# Altium PCB Main_PCB.PcbDoc (part 12 of 13) (continued)
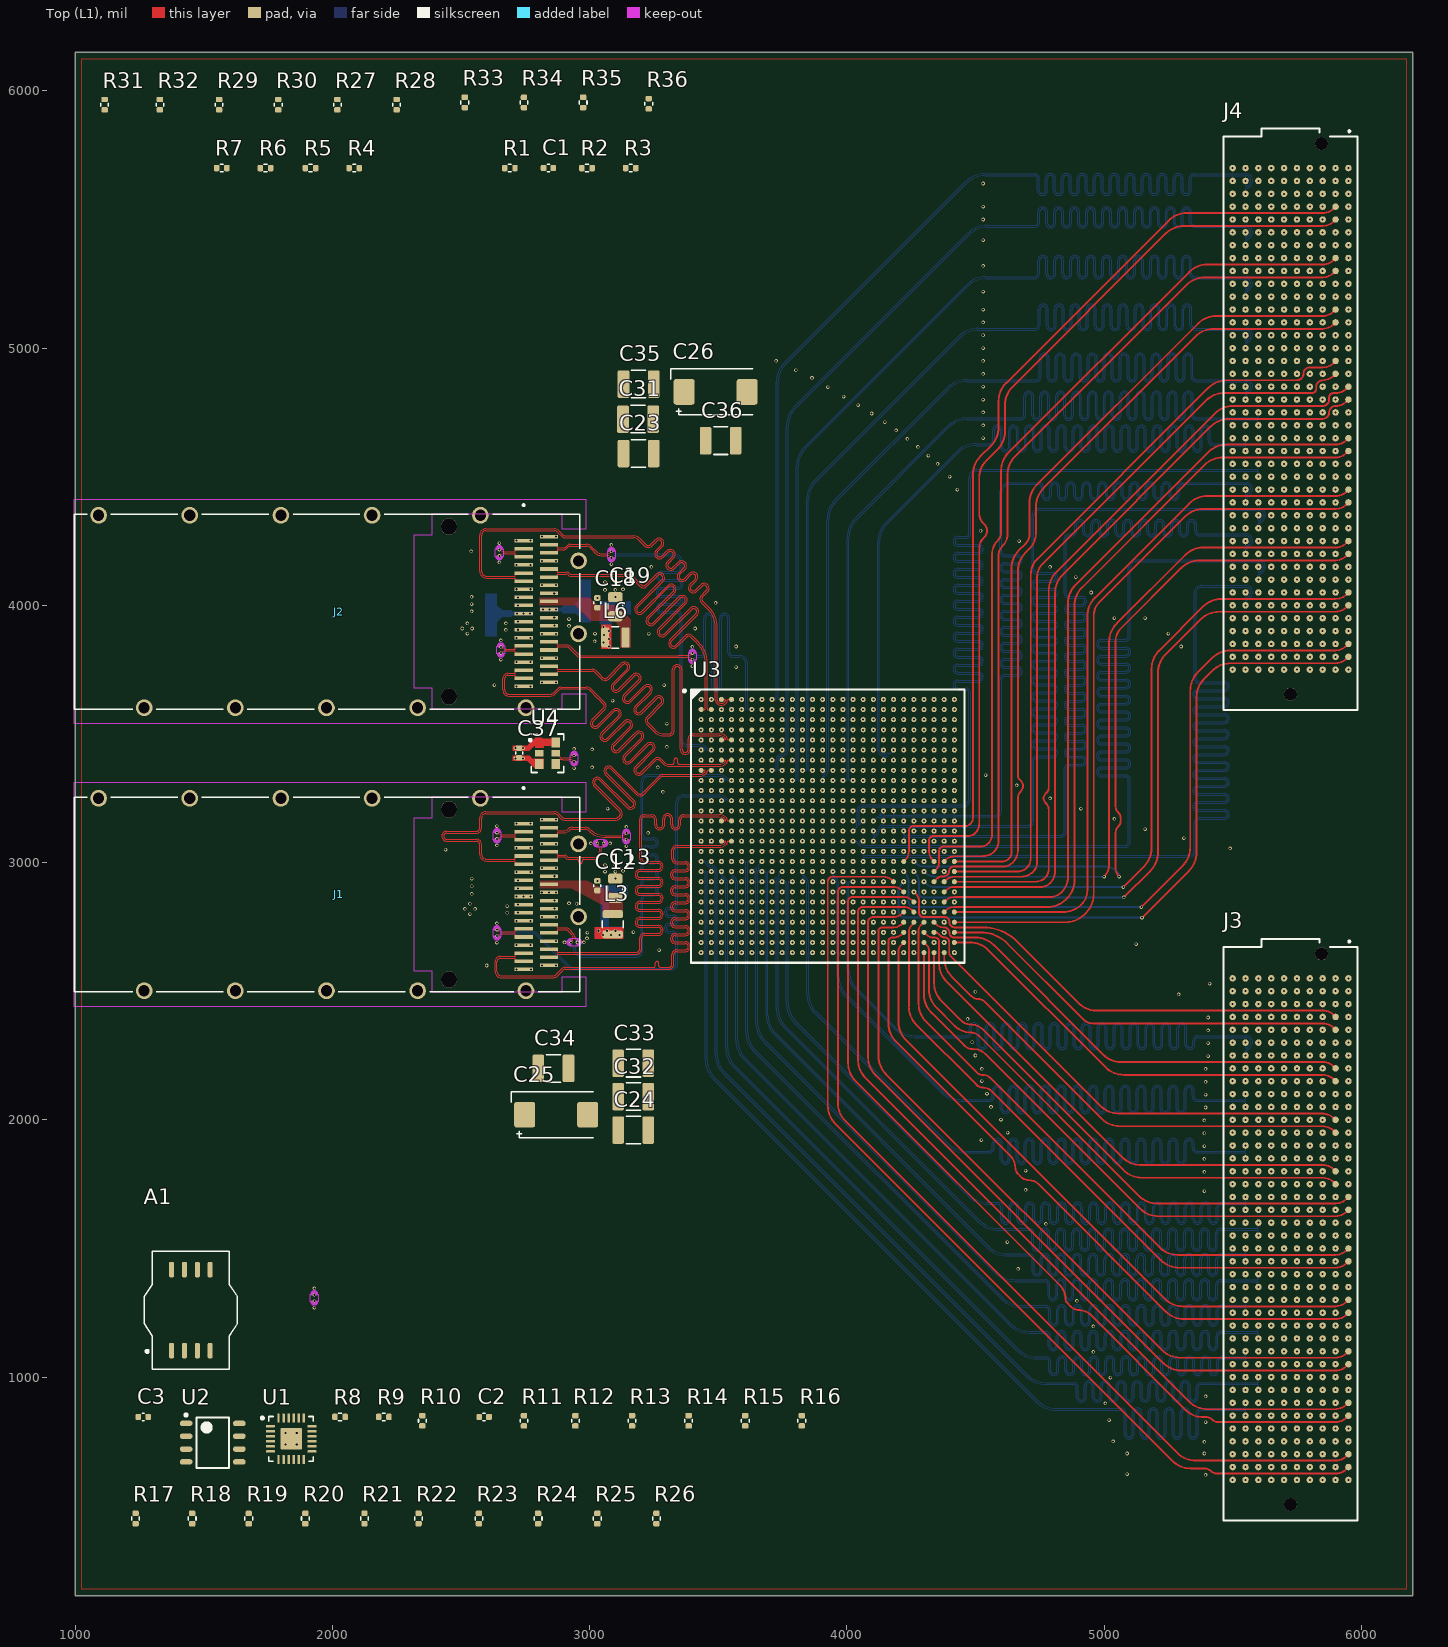
[diagram p0: Top (L1) view]
## Nets (pads, with @x,y where several pads share a name; then routed paths per layer and width w, separated by ;. In a path a pad name is that pad's centre, name@x,y a point inside that pad or via, vN(x,y) a via of type N, cw(c..) or ccw(c..) an arc to the next point about the centre after c; other vN are vias at no path point) (continued)
HPCC_B_GP07: J4.A30 U3.V23 | length 2726.7
  Top (L1) w7.36: v1(5000,2945) ccw(c4951.72,2993.28) 5020,2993.28 ; 5020,2995 5020,3858.58 cw(c5120,3858.58) 5049.29,3929.29 ; 5050,3930 5315.71,4195.71 cw(c5386.42,4125) 5386.42,4225 5900,4225 ccw(c5900,4285.36) 5942.68,4242.68 J4.A30@5950,4250
  Bot (L12) w7.36: v1(4300,2964.96) ccw(c4348.19,3013.15) 4348.19,2945 v1(5000,2945)
HPCC_B_GP08: J4.A31 U3.U22 | length 2804.2
  Top (L1) w7.36: 5045,2978.8 ccw(c5092.8,2978.8) v1(5059,2945) ; 5045,2980 5045,3115.86 cw(c5079.14,3115.86) 5055,3140 ccw(c5030.86,3164.14) 5065,3164.14 5065,3170.86 ccw(c5030.86,3170.86) 5055,3195 cw(c5079.14,3219.14) 5045,3219.14 ; 5045,3220 5045,3861.72 cw(c5113.28,3861.72) 5065,3910 5300.71,4145.71 cw(c5371.42,4075) 5371.42,4175 5900,4175 ccw(c5900,4235.36) 5942.68,4192.68 J4.A31@5950,4200
  Bot (L12) w7.36: v1(4260.63,3004.33) 4265.79,2999.17 ccw(c4300,3033.38) 4300,2985 5001.72,2985 cw(c5001.72,2916.72) 5050,2965 ; 5051,2964 5051.22,2963.78 cw(c5032.44,2945) v1(5059,2945) v1@5060,2944
HPCC_B_GP09: J4.A34 U3.W23 | length 2572.2
  Top (L1) w7.36: v1(5075,2905) 5155.71,2985.71 ccw(c5085,3056.42) 5185,3056.42 5185,3753.58 cw(c5285,3753.58) 5214.29,3824.29 5385.71,3995.71 cw(c5456.42,3925) 5456.42,4025 5900,4025 ccw(c5900,4085.36) 5942.68,4042.68 J4.A34@5950,4050
  Bot (L12) w7.36: v1(4300,2925.59) 4306.87,2918.72 ccw(c4340,2951.86) 4340,2905 v1(5075,2905)
HPCC_B_GP10: J4.A35 U3.V22 | length 2683.7
  Top (L1) w7.36: v1(5076.59,2865) 5180.71,2969.12 ccw(c5110,3039.84) 5210,3039.84 5210,3738.58 cw(c5310,3738.58) 5239.29,3809.29 5375.71,3945.71 cw(c5446.42,3875) 5446.42,3975 5900,3975 ccw(c5900,4035.36) 5942.68,3992.68 J4.A35@5950,4000
  Bot (L12) w7.36: v1(4260.63,2964.96) 4265.44,2960.15 cw(c4230.29,2925) 4280,2925 4280,2882.12 ccw(c4297.07,2882.07) 4297.11,2865 v1(5076.59,2865) cw(c5076.59,2861.59) v1@5079,2864
HPCC_B_GP11: J4.A38 U3.V21 | length 2658.3
  Top (L1) w7.36: v1(5145.17,2827) 5305.71,2987.54 ccw(c5235,3058.25) 5335,3058.25 5335,3668.58 cw(c5435,3668.58) 5364.29,3739.29 5420.71,3795.71 cw(c5491.42,3725) 5491.42,3825 5900,3825 ccw(c5900,3885.36) 5942.68,3842.68 J4.A38@5950,3850
  Bot (L12) w7.36: v1(4221.26,2964.96) 4224.99,2961.23 cw(c4188.77,2925) 4240,2925 4240,2847.07 ccw(c4257.07,2847.07) 4245,2835 ccw(c4264.31,2854.31) 4264.31,2827 v1(5145.17,2827)
HPCC_B_GP12: J4.A39 U3.W21 | length 2690.7
  Top (L1) w7.36: v1(5147.59,2786) 5330.71,2969.12 ccw(c5260,3039.84) 5360,3039.84 5360,3643.58 cw(c5460,3643.58) 5389.29,3714.29 5420.71,3745.71 cw(c5491.42,3675) 5491.42,3775 5900,3775 ccw(c5900,3835.36) 5942.68,3792.68 J4.A39@5950,3800
  Bot (L12) w7.36: v1(4221.26,2925.59) 4214.67,2919 ccw(c4247.67,2886) 4201,2886 4201,2812.31 ccw(c4228.31,2812.31) 4209,2793 ccw(c4225.9,2809.9) 4225.9,2786 v1(5147.59,2786)
HPCC_B_GP13: J4.B4 U3.U21 | length 3694
  Top (L1) w7.36: U3.U21@4221.26,3004.33 4229.03,3012.1 ccw(c4200.13,3041) 4241,3041 4241,3123 cw(c4260.31,3123) 4246.66,3136.66 cw(c4259.56,3123.76) 4259.56,3142 4460.69,3142 ccw(c4460.69,3169.31) 4480,3150 ccw(c4455.86,3174.14) 4490,3174.14 4490,4508.58 cw(c4590,4508.58) 4519.29,4579.29 4560.71,4620.71 ccw(c4490,4691.42) 4590,4691.42 ; 4590,4690 4590,4793.58 cw(c4690,4793.58) 4619.29,4864.29 5250.71,5495.71 cw(c5321.42,5425) 5321.42,5525 5850,5525 ccw(c5850,5585.36) 5892.68,5542.68 J4.B4@5900,5550
HPCC_B_GP14: J4.B5 U3.U24 | length 3597.8
  Top (L1) w7.36: 4336.07,3103 ccw(c4336.07,3085.93) 4324,3098 ccw(c4333.66,3088.34) 4320,3088.34 4320,3043 ccw(c4366.59,3043) 4333.65,3010.05 U3.U24@4339.37,3004.33 ; 4336.44,3102.64 4470.15,3102.64 ccw(c4470.15,3144.85) 4500,3115 ccw(c4463.79,3151.21) 4515,3151.21 4515,4223.79 cw(c4566.21,4223.79) 4529.99,4259.99 4534.39,4264.39 ccw(c4508.79,4290) 4545,4290 ccw(c4508.79,4290) 4534.39,4315.61 4529.14,4320.86 cw(c4563.28,4355) 4515,4355 4515,4499.64 cw(c4600.36,4499.64) 4540,4560 4585.71,4605.71 ccw(c4515,4676.42) 4615,4676.42 ; 4615,4675 4615,4778.58 cw(c4715,4778.58) 4644.29,4849.29 5240.71,5445.71 cw(c5311.42,5375) 5311.42,5475 5850,5475 ccw(c5850,5535.36) 5892.68,5492.68 J4.B5@5900,5500
HPCC_B_GP15: J4.B8 U3.V24 | length 3408.3
  Top (L1) w7.36: U3.V24@4339.37,2964.96 4345.98,2971.57 ccw(c4314.56,3003) 4359,3003 4359,3047.34 cw(c4372.66,3047.34) 4363,3057 cw(c4377.49,3042.51) 4377.49,3063 ; 4377.95,3062.48 4519.78,3062.48 ccw(c4519.78,3105.22) 4550,3075 4550.86,3075.86 ccw(c4516.72,3110) 4565,3110 4565,4201.72 cw(c4633.28,4201.72) 4585,4250 ccw(c4548.79,4286.21) 4600,4286.21 4600,4523.58 cw(c4700,4523.58) 4629.29,4594.29 5330.71,5295.71 cw(c5401.42,5225) 5401.42,5325 5850,5325 ccw(c5850,5385.36) 5892.68,5342.68 J4.B8@5900,5350
HPCC_B_GP16: J4.B9 U3.U25 | length 3301.5
  Top (L1) w7.36: U3.U25@4378.74,3004.33 4387.39,3012.98 cw(c4414,2986.36) 4414,3024 ; 4412.65,3024.46 4528.69,3024.46 ccw(c4528.69,3026.31) 4530,3025 ccw(c4530,3085.36) 4572.68,3042.68 ccw(c4530.86,3084.5) 4590,3084.5 4590,4193.79 cw(c4641.21,4193.79) 4605,4230 ccw(c4556.72,4278.28) 4625,4278.28 4625,4508.58 cw(c4725,4508.58) 4654.29,4579.29 ; 4655,4580 5320.71,5245.71 cw(c5391.42,5175) 5391.42,5275 5850,5275 ccw(c5850,5335.36) 5892.68,5292.68 J4.B9@5900,5300
HPCC_B_GP17: J4.B12 U3.U26 | length 3137.8
  Top (L1) w7.36: U3.U26@4418.11,3004.33 4604.24,3004.33 ccw(c4604.24,3040.76) 4630,3015 ccw(c4605.86,3039.14) 4640,3039.14 4640,4143.58 cw(c4740,4143.58) 4669.29,4214.29 4695,4240 ccw(c4658.79,4276.21) 4710,4276.21 4710,4398.58 cw(c4810,4398.58) 4739.29,4469.29 5365.71,5095.71 cw(c5436.42,5025) 5436.42,5125 5850,5125 ccw(c5850,5185.36) 5892.68,5142.68 J4.B12@5900,5150
HPCC_B_GP18: J4.B13 U3.W24 | length 3238.3
  Top (L1) w7.36: U3.W24@4339.37,2925.59 4353.97,2940.19 cw(c4368,2926.15) 4368,2946 4375,2946 ccw(c4375,2970.14) 4392.07,2953.07 4393.05,2954.05 ccw(c4381.1,2966) 4398,2966 4398,2966.93 cw(c4415.07,2966.93) 4403,2979 cw(c4417.49,2964.51) 4417.49,2985 4608.79,2985 ccw(c4608.79,3036.21) 4645,3000 ccw(c4596.72,3048.28) 4665,3048.28 ; 4665,3045 4665,3250.86 cw(c4699.14,3250.86) 4675,3275 ccw(c4650.86,3299.14) 4685,3299.14 ccw(c4658.79,3299.14) 4677.33,3317.67 ; 4677.32,3317.68 4672.07,3322.93 cw(c4689.14,3340) 4665,3340 4665,4133.58 cw(c4765,4133.58) 4694.29,4204.29 4710,4220 ccw(c4649.64,4280.36) 4735,4280.36 4735,4383.58 cw(c4835,4383.58) 4764.29,4454.29 5355.71,5045.71 cw(c5426.42,4975) 5426.42,5075 5850,5075 ccw(c5850,5135.36) 5892.68,5092.68 J4.B13@5900,5100
HPCC_B_GP19: J4.B16 U3.V26 | length 2976.1
  Top (L1) w7.36: U3.V26@4418.11,2964.96 4663.69,2964.96 ccw(c4663.69,3016.31) 4700,2980 ccw(c4663.79,3016.21) 4715,3016.21 4715,4119.64 cw(c4800.36,4119.64) 4740,4180 5405.71,4845.71 cw(c5476.42,4775) 5476.42,4875 5750,4875 ccw(c5750,4899.14) 5767.07,4882.07 5767.93,4882.93 ccw(c5750.86,4900) 5775,4900 cw(c5799.14,4900) 5782.07,4917.07 cw(c5801.21,4897.93) 5801.21,4925 5850,4925 ccw(c5850,4985.36) 5892.68,4942.68 J4.B16@5900,4950
HPCC_B_GP20: J4.B17 U3.W25 | length 3013.1
  Top (L1) w7.36: U3.W25@4378.74,2925.59 4384.82,2931.67 cw(c4417,2899.49) 4417,2945 4676.72,2945 ccw(c4676.72,3013.28) 4725,2965 ccw(c4688.79,3001.21) 4740,3001.21 4740,4111.72 cw(c4808.28,4111.72) 4760,4160 5395.71,4795.71 cw(c5466.42,4725) 5466.42,4825 5807.93,4825 ccw(c5807.93,4842.07) 5820,4830 ccw(c5807.93,4842.07) 5825,4842.07 5825,4852.93 cw(c5842.07,4852.93) 5830,4865 5832.93,4867.93 cw(c5850,4850.86) 5850,4875 ccw(c5850,4935.36) 5892.68,4892.68 J4.B17@5900,4900
HPCC_B_I2C_SCL: J4.A14 R14.1 U1.4
  other v1: 5950,5050
HPCC_B_I2C_SDA: J4.A15 R13.1 U1.3
  other v1: 5950,5000
JTAG_TCK: J3.A3 J4.A3 U3.L8
  other v1: 5950,2450 3709.45,3240.55 5950,5600
JTAG_TDI: J3.A7 J4.A7 U3.R6
  other v1: 5950,2250 3630.71,3083.07 5950,5400
JTAG_TDO: J3.A6 J4.A6 U3.R7
  other v1: 5950,2300 3670.08,3083.07 5950,5450
JTAG_TMS: J3.A2 J4.A2 U3.N8
  other v1: 5950,2500 3709.45,3161.81 5950,5650
JTAG_TRST: J3.A10 J4.A10
  other v1: 5950,2100 5950,5250
MC_ALT_I2C_SCL: R22.1 U1.13
MC_ALT_I2C_SDA: R21.1 U1.12
NetA1_2: A1.2 R6.2
NetA1_3: A1.3 R3.1 R5.2
NetA1_5: A1.5 R7.2
NetA1_7: A1.7 R2.1 R4.2
NetR10_1: R10.1 U1.24
NetR36_2: R36.2 U3.M6
  other v1: 3630.71,3201.18
PWR_FAIL: J3.B1 J4.B1 U3.K21
  other v1: 5900,2550 4221.26,3279.92 5900,5700
QSFP_A_IntL/R\x\L\o\s\: J1.28 R31.1 U3.K22
  other v1: 2864.3,2852.36 4260.63,3279.92
QSFP_A_LPMode/TxDis: J1.31 U3.L23
  other v1: 2864.3,2946.85 4300,3240.55
QSFP_A_M\o\d\P\r\s\: J1.27 R29.1 U3.L22
  other v1: 2864.3,2820.87 4260.63,3240.55
QSFP_A_M\o\d\S\e\l\: J1.8 U3.J23
  other v1: 2721.79,2931.1 4300,3319.29
QSFP_A_R\e\s\e\t\: J1.9 R27.1 U3.K23
  other v1: 2721.79,2899.61 4300,3279.92
QSFP_A_RX1_N: J1.18 U3.R3 | length 2248.8
  Top (L1) w3.5: J1.18@2743.7,2616.14 2720.68,2616.14 cw(c2720.68,2624.92) 2714.47,2618.71 2713.59,2619.59 cw(c2717.67,2623.67) 2711.9,2623.67 2711.9,2624.61 ccw(c2708.4,2624.61) 2710.88,2627.09 ccw(c2708.4,2624.61) 2708.4,2628.11 2652.52,2628.11 ccw(c2652.52,2617.48) 2645,2625 2643.54,2623.54 ccw(c2652.07,2615) 2640,2615 2640,2577.07 ccw(c2657.07,2577.07) 2645,2565 ccw(c2657.07,2577.07) 2657.07,2560 2857.93,2560 ccw(c2857.93,2577.07) 2870,2565 2892.28,2587.28 cw(c2905,2574.56) 2905,2592.55 3247.05,2592.55 3248.8,2592.55 ccw(c3248.8,2599.3) 3255.55,2599.3 3255.55,2608.79 cw(c3262.3,2608.79) 3269.05,2608.79 3269.05,2599.3 ccw(c3275.8,2599.3) 3275.8,2592.55 3284.67,2592.55 3309.09,2592.55 ccw(c3309.09,2600.91) 3314.99,2594.99 3316.46,2596.46 ccw(c3307.93,2605) 3320,2605 3320,2617.04 3320,2642.2 cw(c3339.3,2642.2) 3339.3,2661.5 3372.01,2661.5 ccw(c3372.01,2673.25) 3372.01,2685 3333.35,2685 cw(c3333.35,2704.3) 3333.35,2723.6 3372.01,2723.6 ccw(c3372.01,2735.35) 3372.01,2747.1 3333.35,2747.1 cw(c3333.35,2766.4) 3333.35,2785.7 3372.01,2785.7 ccw(c3372.01,2797.45) 3372.01,2809.2 3333.35,2809.2 cw(c3333.35,2828.5) 3333.35,2847.8 3372.01,2847.8 ccw(c3372.01,2859.55) 3372.01,2871.3 3333.35,2871.3 cw(c3333.35,2890.6) 3333.35,2909.9 3372.01,2909.9 ccw(c3372.01,2921.65) 3372.01,2933.4 3333.35,2933.4 cw(c3333.35,2952.7) 3333.35,2972 3372.01,2972 ccw(c3372.01,2983.75) 3372.01,2995.5 3339.3,2995.5 cw(c3339.3,3014.8) 3320,3014.8 3320,3020.33 3320,3049.09 cw(c3335.91,3049.09) 3324.66,3060.34 cw(c3340.74,3044.26) 3340.74,3067 3504.7,3067 ccw(c3504.7,3098.79) 3527.18,3076.31 ccw(c3523.93,3079.57) 3528.53,3079.57 ccw(c3525.03,3079.57) 3527.51,3082.05 ccw(c3525.03,3079.57) 3525.03,3083.07 U3.R3@3512.6,3083.07
QSFP_A_RX1_P: J1.17 U3.R4 | length 2250
  Top (L1) w3.5: J1.17@2743.7,2647.64 2720.68,2647.64 ccw(c2720.68,2638.86) 2714.47,2645.07 2713.59,2644.19 ccw(c2717.67,2640.11) 2711.9,2640.11 2711.9,2639.16 cw(c2708.4,2639.16) 2710.88,2636.69 cw(c2708.4,2639.17) 2708.4,2635.66 2652.52,2635.66 ccw(c2652.52,2617.48) 2639.66,2630.34 2638.2,2628.87 ccw(c2652.07,2615) 2632.45,2615 2632.45,2577.07 ccw(c2657.07,2577.07) 2639.66,2559.66 ccw(c2657.07,2577.07) 2657.07,2552.45 2857.93,2552.45 ccw(c2857.93,2577.07) 2875.34,2559.66 2897.62,2581.94 cw(c2905,2574.56) 2905,2585 3309.09,2585 ccw(c3309.09,2600.91) 3320.34,2589.66 3321.8,2591.13 ccw(c3307.93,2605) 3327.55,2605 3327.55,2617.04 3327.55,2642.2 cw(c3339.3,2642.2) 3339.3,2653.95 3372.01,2653.95 ccw(c3372.01,2673.25) 3372.01,2692.55 3333.35,2692.55 cw(c3333.35,2704.3) 3333.35,2716.05 3372.01,2716.05 ccw(c3372.01,2735.35) 3372.01,2754.65 3333.35,2754.65 cw(c3333.35,2766.4) 3333.35,2778.15 3372.01,2778.15 ccw(c3372.01,2797.45) 3372.01,2816.75 3333.35,2816.75 cw(c3333.35,2828.5) 3333.35,2840.25 3372.01,2840.25 ccw(c3372.01,2859.55) 3372.01,2878.85 3333.35,2878.85 cw(c3333.35,2890.6) 3333.35,2902.35 3372.01,2902.35 ccw(c3372.01,2921.65) 3372.01,2940.95 3333.35,2940.95 cw(c3333.35,2952.7) 3333.35,2964.45 3372.01,2964.45 ccw(c3372.01,2983.75) 3372.01,3003.05 3339.3,3003.05 cw(c3339.3,3014.8) 3327.55,3014.8 3327.55,3020.33 3327.55,3049.09 cw(c3335.91,3049.09) 3330,3055 cw(c3340.74,3044.26) 3340.74,3059.45 3419.95,3059.45 3420,3059.5 3504.73,3059.5 ccw(c3504.73,3098.72) 3532.47,3070.99 3532.51,3071.04 ccw(c3524.02,3079.53) 3536.03,3079.53 cw(c3539.53,3079.57) 3537.06,3082.05 cw(c3539.53,3079.57) 3539.53,3083.07 U3.R4@3551.97,3083.07
QSFP_A_RX2_N: J1.21 U3.N3 | length 2238.6
  Top (L1) w3.5: J1.21@2842.13,2631.89 2865.15,2631.89 ccw(c2865.15,2640.66) 2871.36,2634.46 2872.23,2635.34 ccw(c2868.15,2639.42) 2873.93,2639.42 2873.93,2640.36 cw(c2877.43,2640.36) 2874.95,2642.84 cw(c2877.43,2640.36) 2877.43,2643.86 3181.34,2643.86 ccw(c3181.34,2663.66) 3195.34,2649.66 3196.8,2651.13 ccw(c3182.93,2665) 3202.55,2665 3202.55,2669 3202.55,2705.58 cw(c3214.3,2705.58) 3214.3,2717.33 3266.71,2717.33 ccw(c3266.71,2736.63) 3266.71,2755.93 3196.39,2755.93 cw(c3196.39,2767.68) 3196.39,2779.43 3266.71,2779.43 ccw(c3266.71,2798.73) 3266.71,2818.03 3196.39,2818.03 cw(c3196.39,2829.78) 3196.39,2841.53 3266.71,2841.53 ccw(c3266.71,2860.83) 3266.71,2880.13 3196.39,2880.13 cw(c3196.39,2891.88) 3196.39,2903.63 3266.71,2903.63 ccw(c3266.71,2922.93) 3266.71,2942.23 3196.39,2942.23 cw(c3196.39,2953.98) 3196.39,2965.73 3266.71,2965.73 ccw(c3266.71,2985.03) 3266.71,3004.33 3214.3,3004.33 cw(c3214.3,3016.08) 3202.55,3016.08 3202.55,3040.12 3202.55,3169.09 cw(c3210.91,3169.09) 3205,3175 cw(c3212.24,3167.76) 3212.24,3178 3218.97,3178 3241.27,3178 cw(c3241.27,3166.25) 3253.02,3166.25 3253.02,3146.81 ccw(c3272.32,3146.81) 3291.62,3146.81 3291.62,3170.58 cw(c3303.37,3170.58) 3315.12,3170.58 3315.12,3146.81 ccw(c3334.42,3146.81) 3353.72,3146.81 3353.72,3166.25 cw(c3365.47,3166.25) 3365.47,3178 3371,3178 3433.32,3178 ; 3433.35,3178 ccw(c3433.86,3201.18) 3433.86,3177.99 3473.23,3177.99 ccw(c3473.23,3201.18) 3473.74,3178 3504.4,3178 cw(c3504.4,3174.5) 3504.87,3177.97 3512.75,3176.9 cw(c3504.42,3145.8) 3524.74,3170.78 ; U3.N3@3512.6,3161.81 3525.03,3161.81 ccw(c3525.03,3165.31) 3527.51,3162.84 ccw(c3525.03,3165.31) 3528.53,3165.31 ; 3524.74,3170.77 3527.6,3167.69 cw(c3525.03,3165.31) 3528.53,3165.34
QSFP_A_RX2_P: J1.22 U3.N4 | length 2250.5
  Top (L1) w3.5: J1.22@2842.13,2663.39 2865.15,2663.39 cw(c2865.15,2654.61) 2871.36,2660.82 2872.23,2659.94 cw(c2868.15,2655.85) 2873.93,2655.85 2873.93,2654.91 ccw(c2877.43,2654.91) 2874.95,2652.44 ccw(c2877.43,2654.91) 2877.43,2651.41 3181.34,2651.41 ccw(c3181.34,2663.66) 3190,2655 3191.46,2656.46 ccw(c3182.93,2665) 3195,2665 3195,2669 3195,2705.58 cw(c3214.3,2705.58) 3214.3,2724.88 3266.71,2724.88 ccw(c3266.71,2736.63) 3266.71,2748.38 3196.39,2748.38 cw(c3196.39,2767.68) 3196.39,2786.98 3266.71,2786.98 ccw(c3266.71,2798.73) 3266.71,2810.48 3196.39,2810.48 cw(c3196.39,2829.78) 3196.39,2849.08 3266.71,2849.08 ccw(c3266.71,2860.83) 3266.71,2872.58 3196.39,2872.58 cw(c3196.39,2891.88) 3196.39,2911.18 3266.71,2911.18 ccw(c3266.71,2922.93) 3266.71,2934.68 3196.39,2934.68 cw(c3196.39,2953.98) 3196.39,2973.28 3266.71,2973.28 ccw(c3266.71,2985.03) 3266.71,2996.78 3214.3,2996.78 cw(c3214.3,3016.08) 3195,3016.08 3195,3040.12 3195,3169.09 cw(c3210.91,3169.09) 3199.66,3180.34 cw(c3212.24,3167.76) 3212.24,3185.55 3218.97,3185.55 3241.27,3185.55 cw(c3241.27,3166.25) 3260.57,3166.25 3260.57,3146.81 ccw(c3272.32,3146.81) 3284.07,3146.81 3284.07,3170.58 cw(c3303.37,3170.58) 3322.67,3170.58 3322.67,3146.81 ccw(c3334.42,3146.81) 3346.17,3146.81 3346.17,3166.25 cw(c3365.47,3166.25) 3365.47,3185.55 3371,3185.55 3420.95,3185.55 3421,3185.5 3433.34,3185.5 cw(c3433.3,3174.5) 3433.5,3185.5 ccw(c3433.86,3201.18) 3433.86,3185.49 3473.23,3185.49 ccw(c3473.23,3201.18) 3473.58,3185.5 cw(c3473.79,3174.5) 3473.74,3185.5 3504.45,3185.5 cw(c3504.45,3145.88) 3532.47,3173.89 3532.52,3173.84 cw(c3524.03,3165.36) 3536.03,3165.36 ; 3536.03,3165.31 ccw(c3539.53,3165.31) 3537.06,3162.84 ccw(c3539.53,3165.31) 3539.53,3161.81 U3.N4@3551.97,3161.81
QSFP_A_RX3_N: J1.15 U3.L3 | length 1863.2
  Top (L1) w3.5: v1(2640,2714) cw(c2661.06,2692.94) 2661.06,2722.73 ; 2661.06,2722.72 2671.75,2722.72 2671.87,2722.6 2708.4,2722.6 cw(c2708.4,2719.1) 2710.88,2721.58 cw(c2708.4,2719.1) 2711.9,2719.1 2711.9,2718.16 ccw(c2717.67,2718.16) 2713.58,2714.09 2714.47,2713.2 ccw(c2720.68,2719.4) 2720.68,2710.63 J1.15@2743.7,2710.63
  Bot (L12) w3.5: v1(2640,2714) cw(c2661.06,2692.94) 2661.06,2722.73 ; 2661.06,2722.72 2783.42,2722.72 cw(c2783.42,2713.42) 2790,2720 2922.28,2587.72 ccw(c2935,2600.44) 2935,2582.45 3317.93,2582.45 ccw(c3317.93,2607.07) 3335.34,2589.66 ccw(c3317.93,2607.07) 3342.55,2607.07 3342.55,2708 3342.55,2713.53 ccw(c3323.25,2713.53) 3323.25,2732.83 3310.22,2732.83 cw(c3310.22,2744.58) 3310.22,2756.33 3325.21,2756.33 ccw(c3325.21,2775.63) 3325.21,2794.93 3310.22,2794.93 cw(c3310.22,2806.68) 3310.22,2818.43 3323.25,2818.43 ccw(c3323.25,2837.73) 3342.55,2837.73 3342.55,2868.03 3342.55,3232.01 cw(c3367.99,3232.01) 3350,3250 cw(c3365.4,3234.6) 3365.4,3256.38 3503.72,3256.38 cw(c3503.72,3222.74) 3527.51,3246.53 cw(c3525.03,3244.05) 3528.53,3244.05 cw(c3525.03,3244.05) 3527.51,3241.58 cw(c3525.03,3244.05) 3525.03,3240.55 v1(3512.6,3240.55)
QSFP_A_RX3_P: J1.14 U3.L4 | length 1875
  Top (L1) w3.5: v1(2640,2739) ccw(c2661.06,2760.06) 2661.06,2730.27 ; 2661.06,2730.28 2674.88,2730.28 2675,2730.15 2708.4,2730.15 ccw(c2708.4,2733.65) 2710.88,2731.18 ccw(c2708.4,2733.65) 2711.9,2733.65 2711.9,2734.59 cw(c2717.67,2734.59) J1.14@2713.58,2738.67 ; J1.14@2713.59,2738.68 2714.47,2739.56 cw(c2720.68,2733.35) 2720.68,2742.13 J1.14@2743.7,2742.13
  Bot (L12) w3.5: v1(2640,2739) ccw(c2661.06,2760.06) 2661.06,2730.27 ; 2661.06,2730.28 2783.42,2730.28 cw(c2783.42,2713.42) 2795.34,2725.34 2927.62,2593.06 ccw(c2935,2600.44) 2935,2590 3317.93,2590 ccw(c3317.93,2607.07) 3330,2595 ccw(c3317.93,2607.07) 3335,2607.07 3335,2708 3335,2713.53 ccw(c3323.25,2713.53) 3323.25,2725.28 3310.22,2725.28 cw(c3310.22,2744.58) 3310.22,2763.88 3325.21,2763.88 ccw(c3325.21,2775.63) 3325.21,2787.38 3310.22,2787.38 cw(c3310.22,2806.68) 3310.22,2825.98 3323.25,2825.98 ccw(c3323.25,2837.73) 3335,2837.73 3335,2868.03 3335,3232.01 cw(c3367.99,3232.01) 3344.66,3255.34 cw(c3365.4,3234.6) 3365.4,3263.93 3420.95,3263.93 3421,3263.88 3503.76,3263.88 cw(c3503.76,3222.83) 3532.78,3251.86 3532.85,3251.79 cw(c3525.16,3244.1) 3536.03,3244.1 3536.03,3244.05 ccw(c3539.53,3244.05) 3537.06,3241.58 ccw(c3539.53,3244.05) 3539.53,3240.55 v1(3551.97,3240.55)
QSFP_A_RX4_N: J1.24 U3.J3 | length 1864.9
  Top (L1) w3.5: J1.24@2842.13,2726.38 2865.15,2726.38 ccw(c2865.15,2735.15) 2871.36,2728.95 2872.23,2729.83 ccw(c2868.15,2733.91) 2873.93,2733.91 2873.93,2734.85 cw(c2877.43,2734.85) 2874.95,2737.33 cw(c2877.43,2734.85) 2877.43,2738.35 2906.91,2738.35 cw(c2906.91,2726.91) 2915,2735 2930.9,2719.1 cw(c2918.06,2706.25) 2936.22,2706.25 cw(c2918.06,2706.25) 2930.9,2693.4 v1(2927.5,2690)
  Bot (L12) w3.5: v1(2927.5,2690) cw(c2906.44,2668.94) 2936.23,2668.94 ; 2936.22,2668.94 2936.22,2665 ccw(c2964.96,2665) 2944.64,2644.68 2947.59,2641.73 ccw(c2970,2664.14) 2970,2632.45 3182.93,2632.45 ccw(c3182.93,2657.07) 3200.34,2639.66 3201.8,2641.13 ccw(c3187.93,2655) 3207.55,2655 3207.55,2823 3207.55,2859.58 cw(c3219.3,2859.58) 3219.3,2871.33 3248.44,2871.33 ccw(c3248.44,2890.63) 3248.44,2909.93 3217.52,2909.93 cw(c3217.52,2921.68) 3217.52,2933.43 3248.44,2933.43 ccw(c3248.44,2952.73) 3248.44,2972.03 3217.52,2972.03 cw(c3217.52,2983.78) 3217.52,2995.53 3248.44,2995.53 ccw(c3248.44,3014.83) 3248.44,3034.13 3217.52,3034.13 cw(c3217.52,3045.88) 3217.52,3057.63 3248.44,3057.63 ccw(c3248.44,3076.93) 3248.44,3096.23 3219.3,3096.23 cw(c3219.3,3107.98) 3207.55,3107.98 3207.55,3183 3207.55,3312.01 cw(c3232.99,3312.01) 3215,3330 cw(c3227.07,3317.93) 3227.07,3335 3504.01,3335 cw(c3504.01,3301.77) 3527.51,3325.27 cw(c3525.03,3322.79) 3528.53,3322.79 cw(c3525.03,3322.79) 3527.51,3320.32 cw(c3525.03,3322.79) 3525.03,3319.29 v1(3512.6,3319.29)
QSFP_A_RX4_P: J1.25 U3.J4 | length 1876.7
  Top (L1) w3.5: J1.25@2842.13,2757.87 2865.15,2757.87 cw(c2865.15,2749.1) 2871.36,2755.3 J1.25@2872.23,2754.43 ; J1.25@2872.24,2754.42 cw(c2868.15,2750.34) 2873.93,2750.34 2873.93,2749.4 ccw(c2877.43,2749.4) 2874.95,2746.93 ccw(c2877.43,2749.4) 2877.43,2745.9 2906.91,2745.9 cw(c2906.91,2726.91) 2920.34,2740.34 2937.35,2723.33 cw(c2921.83,2707.81) 2943.78,2707.81 ; 2943.77,2707.81 ccw(c2965.72,2707.81) 2950.2,2692.3 v1(2952.5,2690)
  Bot (L12) w3.5: 2943.77,2668.94 cw(c2973.56,2668.94) v1(2952.5,2690) ; 2943.78,2668.94 2943.78,2665 ccw(c2964.96,2665) 2949.98,2650.02 2952.93,2647.07 ccw(c2970,2664.14) 2970,2640 3182.93,2640 ccw(c3182.93,2657.07) 3195,2645 3196.46,2646.46 ccw(c3187.93,2655) 3200,2655 3200,2823 3200,2859.58 cw(c3219.3,2859.58) 3219.3,2878.88 3248.44,2878.88 ccw(c3248.44,2890.63) 3248.44,2902.38 3217.52,2902.38 cw(c3217.52,2921.68) 3217.52,2940.98 3248.44,2940.98 ccw(c3248.44,2952.73) 3248.44,2964.48 3217.52,2964.48 cw(c3217.52,2983.78) 3217.52,3003.08 3248.44,3003.08 ccw(c3248.44,3014.83) 3248.44,3026.58 3217.52,3026.58 cw(c3217.52,3045.88) 3217.52,3065.18 3248.44,3065.18 ccw(c3248.44,3076.93) 3248.44,3088.68 3219.3,3088.68 cw(c3219.3,3107.98) 3200,3107.98 3200,3183 3200,3312.01 cw(c3232.99,3312.01) 3209.66,3335.34 cw(c3227.07,3317.93) 3227.07,3342.55 3419.95,3342.55 3420,3342.5 3504.05,3342.5 cw(c3504.05,3301.86) 3532.78,3330.6 3532.85,3330.53 cw(c3525.16,3322.84) 3536.03,3322.84 3536.03,3322.79 ccw(c3539.53,3322.79) 3537.06,3320.32 ccw(c3539.53,3322.79) 3539.53,3319.29 v1(3551.97,3319.29)
QSFP_A_SCL: J1.11 R16.1 U1.6
  other v1: 2721.79,2836.61
QSFP_A_SDA: J1.12 R15.1 U1.5
  other v1: 2721.79,2805.12
QSFP_A_TX1_N: J1.37 U3.P2 | length 1592.9
  Top (L1) w3.5: J1.37@2842.13,3135.83 2865.15,3135.83 cw(c2865.15,3127.05) 2871.36,3133.26 J1.37@2872.23,3132.38 ; J1.37@2872.24,3132.37 cw(c2868.15,3128.3) 2873.93,3128.3 2873.93,3127.35 ccw(c2877.43,3127.35) 2874.95,3124.88 ccw(c2877.43,3127.35) 2877.43,3123.85 2900.16,3123.85 ccw(c2900.16,3144.84) 2915,3130 cw(c2933.23,3111.77) 2933.23,3137.55 2982.93,3137.55 cw(c2982.93,3112.93) 3000.34,3130.34 ccw(c3060.85,3190.85) 3060.85,3105.28 3121.94,3105.28 ; 3121.94,3105.27 ccw(c3121.94,3135.06) v1(3143,3114)
  Int9 (L10) w3.5: v1(3143,3114) ccw(c3162.56,3133.56) 3162.56,3105.9 3164.78,3105.9 ccw(c3164.78,3138.92) 3188.13,3115.57 3213.78,3141.22 ; 3213.79,3141.23 cw(c3226.52,3128.48) 3226.52,3146.5 3230,3146.5 3252.32,3146.5 cw(c3252.32,3125.95) 3272.87,3125.95 3272.87,2918.52 ccw(c3284.62,2918.52) 3296.37,2918.52 3296.37,3130.56 cw(c3316.92,3130.56) 3337.47,3130.56 3337.47,2918.52 ccw(c3349.22,2918.52) 3360.97,2918.52 3360.97,3125.95 cw(c3381.52,3125.95) 3381.52,3146.5 3387.67,3146.5 3423.33,3146.5 cw(c3423.33,3103.14) 3453.99,3133.8 3454.11,3133.68 cw(c3446.42,3125.99) 3457.29,3125.99 3457.29,3125.94 ccw(c3460.79,3125.94) 3458.32,3123.47 ccw(c3460.79,3125.94) 3460.79,3122.44 v1(3473.23,3122.44)
QSFP_A_TX1_P: J1.36 U3.P1 | length 1581.6
  Top (L1) w3.5: J1.36@2842.13,3104.33 2865.15,3104.33 ccw(c2865.15,3113.11) 2871.36,3106.9 2872.23,3107.78 ccw(c2868.15,3111.86) 2873.93,3111.86 2873.93,3112.8 cw(c2877.43,3112.8) 2874.95,3115.28 cw(c2877.43,3112.8) 2877.43,3116.3 2900.16,3116.3 ccw(c2900.16,3144.84) 2920.34,3124.66 cw(c2933.23,3111.77) 2933.23,3130 2982.93,3130 cw(c2982.93,3112.93) 2995,3125 ccw(c3060.85,3190.85) 3060.85,3097.72 3121.94,3097.72 ; 3121.94,3097.73 cw(c3121.94,3067.94) v1(3143,3089)
  Int9 (L10) w3.5: v1(3143,3089) cw(c3162.56,3069.44) 3162.56,3097.1 3166.6,3097.1 ccw(c3166.6,3134.52) 3193.06,3108.06 3220,3135 cw(c3226.52,3128.48) 3226.52,3137.7 3230,3137.7 3252.32,3137.7 cw(c3252.32,3125.95) 3264.07,3125.95 3264.07,2918.52 ccw(c3284.62,2918.52) 3305.17,2918.52 3305.17,3130.56 cw(c3316.92,3130.56) 3328.67,3130.56 3328.67,2918.52 ccw(c3349.22,2918.52) 3369.77,2918.52 3369.77,3125.95 cw(c3381.52,3125.95) 3381.52,3137.7 3387.67,3137.7 3410.86,3137.7 ccw(c3410.86,3142.14) 3414,3139 3423.22,3139 cw(c3423.22,3102.86) 3448.77,3128.42 cw(c3446.29,3125.94) 3449.79,3125.94 cw(c3446.29,3125.94) 3448.77,3123.47 cw(c3446.29,3125.94) 3446.29,3122.44 v1(3433.86,3122.44)
QSFP_A_TX2_N: J1.2 U3.M2 | length 1542.6
  Top (L1) w3.5: v1(2640,3117) ccw(c2661.06,3138.06) 2661.06,3108.27 ; 2661.06,3108.28 2689.41,3108.28 2689.58,3108.11 2708.4,3108.11 ccw(c2708.4,3111.61) 2710.88,3109.13 ccw(c2708.4,3111.61) 2711.9,3111.61 2711.9,3112.55 cw(c2717.67,3112.55) J1.2@2713.58,3116.62 ; J1.2@2713.59,3116.63 2714.47,3117.51 cw(c2720.68,3111.3) 2720.68,3120.08 J1.2@2743.7,3120.08
  Int9 (L10) w3.5: v1(2640,3117) ccw(c2659.56,3136.56) 2659.56,3108.9 2809.26,3108.9 cw(c2809.26,3074.42) 2833.64,3098.8 cw(c2809.13,3074.28) 2843.8,3074.28 2843.8,3044.97 ccw(c2864.97,3044.97) 2850,3030 ccw(c2862.07,3042.07) 2862.07,3025 3082.93,3025 ccw(c3082.93,3042.07) 3095,3030 ccw(c3082.93,3042.07) 3100,3042.07 3100,3195.03 cw(c3129.97,3195.03) 3108.78,3216.22 cw(c3128.76,3196.24) 3128.76,3224.5 3149.98,3224.5 3156.13,3224.5 ccw(c3156.13,3236.25) 3167.88,3236.25 3167.88,3242.35 cw(c3188.43,3242.35) 3208.98,3242.35 3208.98,3201.29 ccw(c3220.73,3201.29) 3232.48,3201.29 3232.48,3242.35 cw(c3253.03,3242.35) 3273.58,3242.35 3273.58,3201.29 ccw(c3285.33,3201.29) 3297.08,3201.29 3297.08,3242.35 cw(c3317.63,3242.35) 3338.18,3242.35 3338.18,3201.29 ccw(c3349.93,3201.29) 3361.68,3201.29 3361.68,3203.95 cw(c3382.23,3203.95) 3382.23,3224.5 3408,3224.5 3425.04,3224.5 cw(c3425.04,3183.48) 3454.04,3212.49 3454.11,3212.42 cw(c3446.42,3204.73) 3457.29,3204.73 3457.29,3204.68 ccw(c3460.79,3204.68) 3458.32,3202.21 ccw(c3460.79,3204.68) 3460.79,3201.18 v1(3473.23,3201.18)
QSFP_A_TX2_P: J1.3 U3.M1 | length 1531.2
  Top (L1) w3.5: v1(2640,3092) cw(c2661.06,3070.94) 2661.06,3100.73 ; 2661.06,3100.72 2686.28,3100.72 2686.45,3100.56 2708.4,3100.56 cw(c2708.4,3097.06) 2710.88,3099.53 cw(c2708.4,3097.06) 2711.9,3097.06 2711.9,3096.11 ccw(c2717.67,3096.11) 2713.59,3092.04 2714.47,3091.15 ccw(c2720.68,3097.36) 2720.68,3088.58 J1.3@2743.7,3088.58
  Int9 (L10) w3.5: v1(2640,3092) cw(c2659.56,3072.44) 2659.56,3100.1 2809.26,3100.1 cw(c2809.26,3074.42) 2827.42,3092.58 cw(c2809.13,3074.28) 2835,3074.28 2835,3044.97 ccw(c2864.97,3044.97) 2843.78,3023.78 ccw(c2862.07,3042.07) 2862.07,3016.2 3082.93,3016.2 ccw(c3082.93,3042.07) 3101.22,3023.78 ccw(c3082.93,3042.07) 3108.8,3042.07 3108.8,3195.03 cw(c3129.97,3195.03) 3115,3210 cw(c3128.76,3196.24) 3128.76,3215.7 3149.98,3215.7 3156.13,3215.7 ccw(c3156.13,3236.25) 3176.68,3236.25 3176.68,3242.35 cw(c3188.43,3242.35) 3200.18,3242.35 3200.18,3201.29 ccw(c3220.73,3201.29) 3241.28,3201.29 3241.28,3242.35 cw(c3253.03,3242.35) 3264.78,3242.35 3264.78,3201.29 ccw(c3285.33,3201.29) 3305.88,3201.29 3305.88,3242.35 cw(c3317.63,3242.35) 3329.38,3242.35 3329.38,3201.29 ccw(c3349.93,3201.29) 3370.48,3201.29 3370.48,3203.95 cw(c3382.23,3203.95) 3382.23,3215.7 3408,3215.7 3413.86,3215.7 ccw(c3413.86,3220.14) 3417,3217 3425,3217 cw(c3425,3183.39) 3448.77,3207.16 cw(c3446.29,3204.68) 3449.79,3204.68 cw(c3446.29,3204.68) 3448.77,3202.21 cw(c3446.29,3204.68) 3446.29,3201.18 v1(3433.86,3201.18)